# Allegro board A523-EVB-AXP717C-LPDDR4-4X-32X1-V1-0.brd (continued)
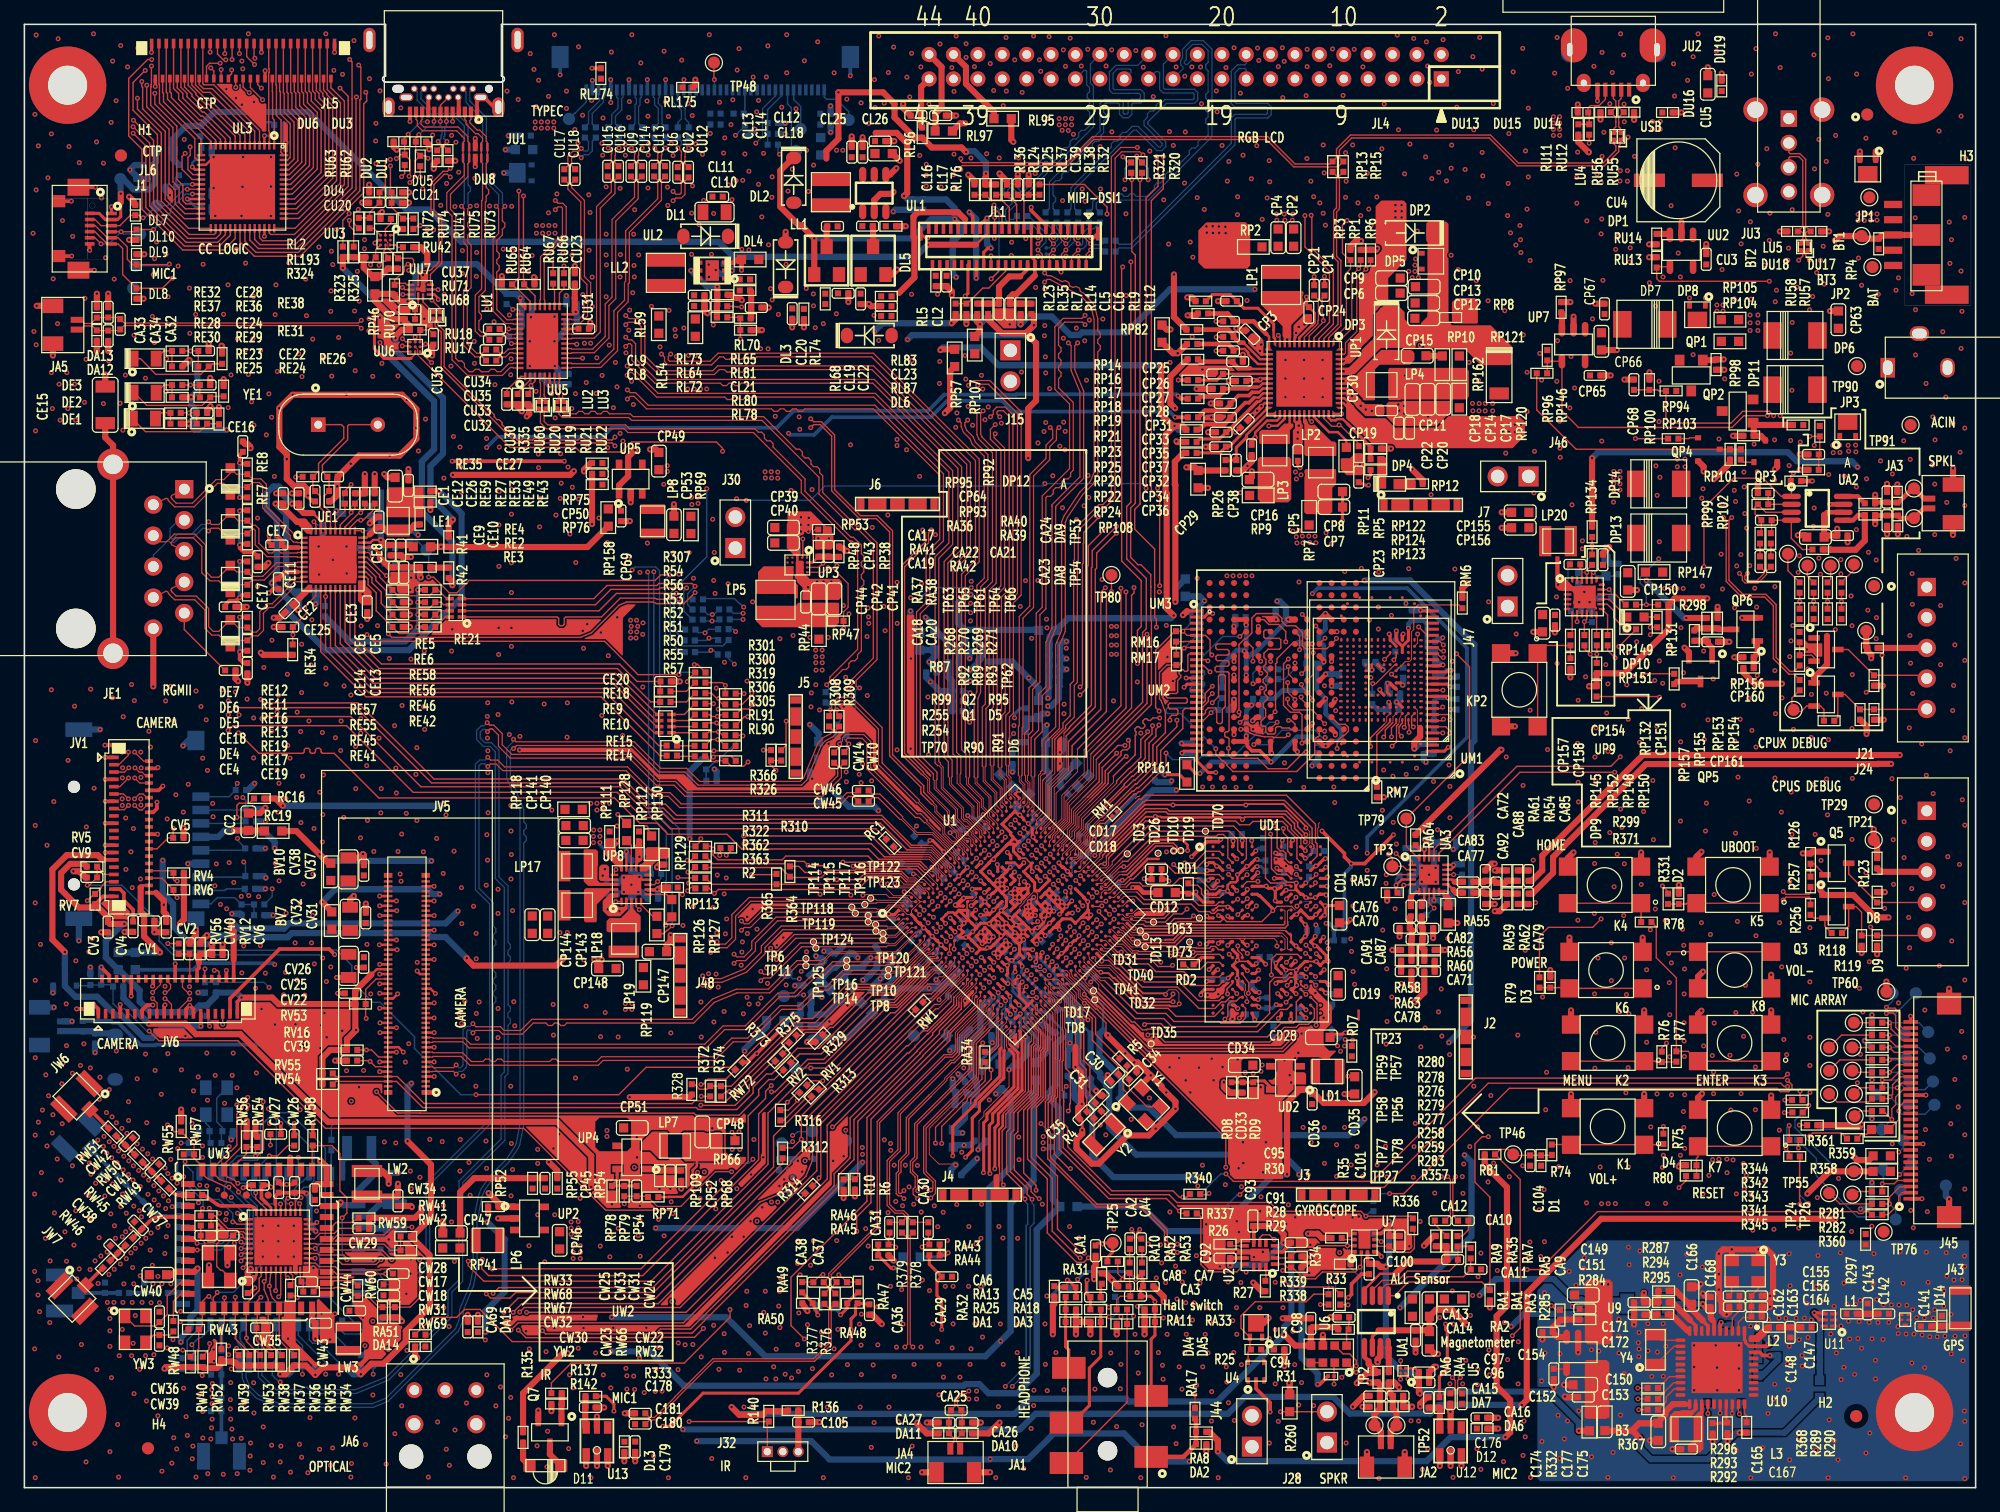
[diagram p0: board, top side]
## Copper pours and planes (outline as drawn; the poured copper is in the pictures) (continued)
GND on TOP (solid shape): 43.62,71.21 43.62,70.75 43.63,70.73 43.64,70.71 43.83,70.52 43.85,70.51 43.87,70.5 44.21,70.5 44.23,70.51 44.24,70.52 44.43,70.71 44.45,70.73 44.45,70.75 44.45,71.21 44.46,71.22 47.23,71.22 47.26,71.21 47.28,71.19 47.29,71.17 47.28,71.14 46.41,70.27 46.39,70.26 45.57,69.92 45.55,69.92 33.42,69.92 33.39,69.92 33.37,69.95 33.36,69.96 33.37,69.99 33.56,70.19 33.58,70.2 33.6,70.2 34.02,70.2 34.06,70.22 34.07,70.25 34.07,70.67 34.08,70.69 34.09,70.71 34.49,71.11 34.5,71.12 34.52,71.13 36.31,71.13 36.34,71.14 36.36,71.18 36.36,71.19 36.39,71.22 43.62,71.22
GND on TOP (solid shape): 19.62,14.02 19.64,14.01 19.76,14.01 19.79,14 19.81,13.96 19.81,13.78 19.81,13.77 19.82,13.75 20.17,13.4 20.18,13.38 20.19,13.36 20.19,11.55 20.19,11.53 20.2,11.51 20.38,11.33 20.4,11.3 20.39,11.27 20.39,11.26 20.36,11.24 20.12,11.24 20.1,11.25 20.09,11.26 19.23,12.11 19.22,12.13 19.22,12.15 19.22,12.68 19.23,12.71 19.27,12.73 19.36,12.73 19.39,12.74 19.41,12.78 19.41,13.43 19.39,13.47 19.36,13.48 19.33,13.48 19.29,13.5 19.28,13.53 19.28,13.96 19.29,14 19.33,14.01 19.44,14.01 19.47,14.03 19.49,14.04 19.59,14.04
GND on TOP (solid shape): 24.08,15.47 24.12,15.48 24.15,15.47 25.41,14.21 25.42,14.19 25.42,14.18 25.42,12.95 25.43,12.93 25.44,12.91 25.44,12.74 25.46,12.7 25.49,12.69 25.52,12.69 25.55,12.67 25.57,12.64 25.57,11.89 25.55,11.85 25.52,11.84 24.25,11.84 24.23,11.84 24.21,11.86 24.16,11.96 24.16,11.99 24.17,12 24.22,12.1 24.24,12.22 24.24,13.49 24.23,13.54 24.23,13.81 24.22,13.85 24.18,13.86 24.04,13.86 24.02,13.87 23.98,13.91 23.97,13.93 23.97,14.7 23.97,14.76 23.97,15.34 23.97,15.36 23.99,15.37
GND on TOP (solid shape): 49.78,23.72 49.81,23.7 49.83,23.67 49.83,23.57 49.84,23.53 49.88,23.52 50.53,23.52 50.57,23.53 50.58,23.57 50.58,23.67 50.6,23.7 50.63,23.72 50.7,23.72 50.74,23.7 50.75,23.67 50.75,23.51 50.77,23.47 50.8,23.45 51.23,23.45 51.25,23.45 51.27,23.44 51.69,23.02 51.7,23 51.7,22.97 51.69,22.95 51.67,22.94 49.55,22.94 49.52,22.94 49.5,22.96 49.45,23.06 49.45,23.08 49.46,23.09 49.52,23.24 49.5,23.39 49.5,23.4 49.5,23.42 49.56,23.5 49.57,23.53 49.57,23.67 49.58,23.7 49.62,23.72
GND on TOP (solid shape): 26.07,78.04 26.09,78.04 27.22,78.04 27.25,78.02 27.27,77.99 27.27,77.35 27.24,77.32 27.24,77.3 27.24,75.69 27.26,75.67 27.27,75.65 27.27,74.55 27.25,74.52 27.24,74.5 27.24,74.4 27.24,74.38 27.22,74.36 27.22,74.2 27.21,74.17 27.17,74.15 23.62,74.15 23.6,74.16 23.57,74.18 23.55,74.19 23.41,74.19 23.37,74.2 23.36,74.24 23.36,74.5 23.33,74.52 23.33,74.54 23.33,75.64 23.35,75.67 23.36,75.69 23.36,76.1 23.33,76.12 23.33,76.14 23.33,77.99 23.35,78.02 23.38,78.04 24.1,78.04 24.13,78.06 24.15,78.06 26.05,78.06
GND on TOP (solid shape): 22.11,15.38 22.13,15.37 22.14,15.36 22.19,15.32 22.27,15.28 22.28,15.24 22.25,15.19 22.25,15.17 22.25,11.93 22.25,11.91 22.26,11.9 23.83,10.33 23.85,10.32 23.87,10.31 24.26,10.31 24.29,10.3 24.31,10.28 24.31,10.27 24.31,10.24 23.89,9.82 23.86,9.81 23.82,9.82 23.26,10.38 23.25,10.39 23.23,10.4 22.55,10.4 22.52,10.41 22.5,10.45 22.5,11.19 22.49,11.23 22.45,11.24 22.03,11.24 22.01,11.25 21.99,11.26 21.09,12.16 21.08,12.17 21.08,12.19 21.08,13.96 21.09,14 21.13,14.01 21.22,14.01 21.26,14.03 21.27,14.06 21.27,15.32 21.29,15.35 21.32,15.37 21.49,15.37 21.51,15.38
GND on TOP (solid shape): 94.03,67.28 94.07,67.27 94.08,67.23 94.08,67.14 94.09,67.1 94.13,67.09 94.47,67.09 94.5,67.08 94.51,67.06 94.52,67.04 94.5,66.99 94.5,66.98 94.5,66.7 94.5,66.68 94.51,66.67 94.64,66.54 94.64,66.53 94.39,66.28 94.38,66.27 94.38,66.25 94.38,65.32 94.37,65.31 93.65,65.31 93.63,65.31 93.61,65.3 93.45,65.13 93.44,65.11 93.43,65.09 93.43,64.82 93.44,64.8 93.45,64.78 93.64,64.59 93.66,64.58 93.68,64.58 93.78,64.58 93.81,64.57 93.83,64.55 93.83,64.53 93.83,64.5 93.62,64.3 93.61,64.28 93.61,64.25 93.59,64.22 93.57,64.22 93.53,64.22 93.51,64.25 93.37,64.65 93.35,64.67 93.28,64.75 93.26,64.76 93.26,64.78 93.26,66.76 93.26,66.78 93.28,66.79 93.75,67.27 93.77,67.28 93.79,67.28
GND on TOP (solid shape): 32.55,97.11 33.17,96.48 33.19,96.47 33.19,96.45 33.19,95.66 33.2,95.62 33.24,95.61 33.27,95.58 33.27,95.55 33.28,95.52 33.32,95.5 33.44,95.5 33.48,95.49 33.49,95.45 33.49,95.21 33.5,95.19 33.51,95.18 33.63,95.05 33.65,95.03 33.64,95 33.64,94.98 33.61,94.97 33.44,94.97 33.42,94.97 33.41,94.98 33.28,95.11 33.26,95.12 33.24,95.13 32.89,95.13 32.85,95.14 32.84,95.18 32.84,95.27 32.82,95.3 32.79,95.32 32.04,95.32 32.01,95.33 31.99,95.37 31.99,95.39 32.01,95.43 32.04,95.44 32.36,95.44 32.4,95.46 32.41,95.49 32.41,96.73 32.42,96.75 32.43,96.76 32.46,96.8 32.47,96.81 32.48,96.83 32.48,97.06 32.48,97.09 32.51,97.11 32.52,97.11
GND on TOP (solid shape): 96.14,92.16 96.16,92.15 96.17,92.14 96.27,92.04 96.29,92.03 96.31,92.02 98.63,92.02 98.67,92.01 98.68,91.97 98.68,91.96 98.91,91.96 98.92,91.96 98.94,91.95 99.23,91.66 99.24,91.63 99.24,91.61 99.24,91.59 99.21,91.57 98.7,91.57 98.67,91.59 98.65,91.62 98.65,91.66 98.64,91.7 98.6,91.71 97.95,91.71 97.91,91.7 97.9,91.66 97.9,91.34 97.89,91.32 97.88,91.3 97.68,91.1 97.66,91.08 97.64,91.08 96.67,91.08 96.64,91.1 96.62,91.13 96.62,91.15 96.61,91.19 96.57,91.2 95.07,91.2 95.03,91.19 95.02,91.15 95.02,91.14 94.99,91.11 94.81,91.11 94.72,91.14 94.7,91.16 94.68,91.26 94.68,91.28 94.69,91.3 95.53,92.14 95.54,92.15 95.56,92.16
GND on TOP (solid shape): 113.42,22.08 113.46,22.06 113.47,22.03 113.47,20.9 113.49,20.87 113.52,20.85 113.74,20.85 113.78,20.84 113.79,20.8 113.79,19.72 113.79,19.7 113.78,19.68 113.58,19.49 113.57,19.48 113.55,19.48 112.51,19.48 112.49,19.48 112.48,19.49 112.3,19.66 112.29,19.68 112.29,19.7 112.29,20.21 112.3,20.25 112.34,20.26 112.8,20.26 112.86,20.27 113.13,20.27 113.16,20.28 113.18,20.32 113.18,20.59 113.18,20.64 113.18,20.7 113.18,20.97 113.16,21.01 113.13,21.02 112.86,21.02 112.8,21.02 112.24,21.02 112.21,21.04 112.19,21.08 112.19,21.64 112.2,21.67 112.24,21.8 112.22,21.94 112.22,21.95 112.22,21.98 112.28,22.06 112.3,22.07 112.32,22.08
GND on TOP (solid shape): 98.69,41.48 98.78,41.48 98.79,41.48 98.84,41.45 98.85,41.43 98.84,41.4 98.43,40.99 98.42,40.97 98.41,40.95 98.41,40.69 98.37,40.6 98.34,40.51 98.28,40.46 98.26,40.45 98.13,40.41 98.05,40.3 98.04,40.29 97.9,40.14 97.88,40.13 97.86,40.13 96.84,40.13 96.81,40.14 96.79,40.15 96.74,40.24 96.74,40.26 96.74,40.27 96.77,40.37 96.77,40.46 96.77,40.48 96.77,40.5 96.87,40.59 96.88,40.61 96.9,40.61 97.47,40.61 97.65,40.69 97.72,40.88 97.73,40.91 97.78,40.98 97.8,40.99 97.82,40.99 97.99,40.99 98.01,41 98.02,41.01 98.29,41.27 98.31,41.28 98.42,41.33 98.49,41.43 98.51,41.45 98.59,41.49
GND on TOP (solid shape): 23.76,18.22 23.78,18.22 23.8,18.21 24.05,17.95 24.07,17.94 24.09,17.94 24.11,17.91 24.11,17.39 24.13,17.35 24.16,17.34 25.45,17.34 25.51,17.33 27.01,17.33 27.04,17.32 27.06,17.3 27.06,17.27 27.04,17.24 27.02,17.23 27,17.2 26.99,17.16 26.95,17.15 25.33,17.15 25.32,17.14 24.16,17.14 24.13,17.13 24.11,17.09 24.11,16.59 24.1,16.56 24.06,16.54 23.91,16.54 23.89,16.54 23.87,16.53 23.83,16.47 23.81,16.46 23.79,16.46 23.1,16.46 23.07,16.47 23.05,16.51 23.06,16.54 23.07,16.56 23.07,17.19 23.05,17.23 23.02,17.24 22.85,17.24 22.82,17.26 22.8,17.29 22.8,17.39 22.82,17.41 22.82,17.43 22.82,18.15 22.84,18.19 22.87,18.2 23.6,18.2 23.62,18.22 23.64,18.22
GND on TOP (solid shape): 100.31,62.85 100.39,62.81 100.41,62.79 100.64,62.58 100.93,62.66 101.11,62.84 101.13,62.84 101.16,62.84 101.2,62.8 101.21,62.79 101.21,62.77 101.21,62.48 101.22,62.46 101.23,62.44 101.41,62.26 101.42,62.25 101.44,62.25 101.54,62.25 101.58,62.23 101.59,62.2 101.59,61.92 101.6,61.9 101.62,61.87 101.64,61.84 101.63,61.81 101.62,61.79 101.59,61.78 100.92,61.91 100.91,61.92 100.6,62.05 100.54,62.1 100.53,62.12 100.53,62.13 100.36,62.5 99.96,62.46 99.93,62.45 99.9,62.45 99.89,62.51 99.89,62.53 99.96,62.64 99.98,62.75 99.98,62.76 99.99,62.78 100.07,62.85 100.09,62.85 100.1,62.85 100.19,62.84 100.28,62.85
GND on TOP (solid shape): 29.16,96.33 29.18,96.33 29.2,96.32 30.07,95.45 30.09,95.44 30.1,95.44 30.85,95.44 30.87,95.43 30.9,95.41 30.91,95.38 30.91,95.35 30.9,95.34 30.88,95.32 30.8,95.32 30.78,95.32 30.76,95.31 30.06,94.61 30.05,94.59 30.05,94.58 30.05,94.26 30.27,93.91 30.68,93.98 30.7,93.99 30.72,93.99 30.75,93.99 30.77,93.99 30.79,93.97 30.79,93.91 30.79,93.89 30.77,93.88 30.67,93.7 30.69,93.49 30.7,93.48 30.69,93.45 30.64,93.37 30.62,93.35 30.6,93.34 29.93,93.34 29.91,93.35 29.89,93.36 29.48,93.77 29.47,93.8 29.48,93.81 29.4,94.13 29.08,94.23 29.07,94.22 29.05,94.23 28.98,94.28 28.96,94.3 28.96,94.32 28.96,96.16 28.96,96.18 28.97,96.2 29.01,96.24 29.04,96.3 29.06,96.32
GND on TOP (solid shape): 102.54,51.73 102.6,51.67 102.62,51.66 102.63,51.66 103.07,51.66 103.13,51.67 103.16,51.66 103.23,51.61 103.24,51.59 103.25,51.57 103.25,51.48 103.25,51.46 103.26,51.45 103.61,51.09 103.63,51.08 103.65,51.08 103.7,51.08 103.8,51.04 103.88,51.03 103.91,51.02 103.98,50.96 103.99,50.93 104.02,50.8 104.11,50.7 104.12,50.69 104.13,50.67 104.13,50.56 104.12,50.54 104.11,50.54 104.02,50.42 103.99,50.25 103.97,50.23 103.93,50.19 103.89,50.21 103.63,50.46 103.61,50.48 103.59,50.48 103.42,50.48 103.4,50.48 103.38,50.5 103.33,50.56 103.32,50.59 103.26,50.79 103.07,50.87 103.01,50.87 102.99,50.89 102.98,50.9 102.82,51.08 102.58,51.08 102.57,51.08 102.54,51.08 102.46,51.14 102.45,51.15 102.44,51.18 102.44,51.7 102.46,51.73 102.49,51.75
GND on TOP (solid shape): 125.83,76.37 125.87,76.36 125.88,76.32 125.88,75.05 125.89,75.03 125.9,75.01 126.96,73.95 126.97,73.94 126.99,73.94 127.44,73.94 127.46,73.94 127.51,73.98 127.53,73.99 128.73,73.99 128.77,74 128.8,74 128.83,73.99 128.85,73.96 128.87,73.94 128.86,73.91 128.85,73.87 128.85,72.27 128.87,72.24 128.9,72.22 128.92,72.22 128.95,72.19 128.95,72.06 128.94,72.03 128.9,72.01 128.79,72.01 128.76,72.03 128.74,72.06 128.74,72.08 128.71,72.11 127.08,72.11 127.04,72.13 127.03,72.16 127.03,72.45 127.02,72.47 126.98,72.52 126.98,72.54 126.98,72.67 126.98,72.69 127.02,72.75 127.03,72.76 127.03,73.34 127.02,73.36 126.98,73.41 126.98,73.45 126.95,73.48 126.91,73.48 126.89,73.49 126.84,73.54 126.82,73.55 126.8,73.56 125.83,73.56 125.81,73.56 125.79,73.57 125.54,73.82 125.53,73.84 125.53,73.86 125.53,76.32 125.54,76.36 125.58,76.37
GND on TOP (solid shape): 64.48,80.06 64.5,80.06 64.52,80.05 66.32,78.24 66.34,78.24 66.34,77.14 66.34,77.12 66.33,77.1 66.21,76.98 66.19,76.97 66.17,76.96 64.89,76.96 64.87,76.97 64.85,76.98 64.85,78.15 64.87,78.19 64.9,78.2 65.42,78.2 65.45,78.21 65.47,78.25 65.47,78.9 65.45,78.94 65.42,78.95 64.77,78.95 64.73,78.94 64.71,78.9 64.71,78.74 64.71,78.72 64.7,78.7 64.5,78.5 64.49,78.48 64.48,78.47 64.48,78.41 64.47,78.37 64.43,78.36 63.98,78.36 63.94,78.34 63.93,78.31 63.93,78.23 63.93,78.21 63.91,78.2 63.86,78.14 63.83,78.13 63.52,77.91 63.63,77.54 63.64,77.52 63.65,77.5 63.65,76.45 63.64,76.45 63.14,76.45 63.12,76.45 63.11,76.47 62.53,77.05 62.51,77.06 62.51,77.08 62.51,78.98 62.51,79 62.53,79.02 62.55,79.05 62.57,79.06 62.57,79.08 62.57,79.87 62.57,79.89 62.58,79.91 62.72,80.05 62.74,80.06 62.76,80.06
GND on TOP (solid shape): 32.01,75.09 32.04,75.08 32.06,75.04 32.06,74.57 32.06,74.56 32.07,74.54 32.24,74.37 32.52,74.26 32.8,74.4 32.82,74.41 32.91,74.42 32.94,74.41 33.19,74.34 33.41,74.46 33.41,74.47 33.44,74.48 33.47,74.48 33.49,74.47 33.87,74.09 33.88,74.06 33.88,74.04 33.87,74.02 33.85,74 32.47,74 32.43,73.99 32.37,73.95 32.35,73.94 32.34,73.95 32,73.83 31.96,73.48 31.97,73.46 31.96,73.44 31.91,73.35 31.89,73.33 31.87,73.33 30.76,73.33 30.74,73.33 30.72,73.34 30.57,73.49 30.56,73.51 30.56,73.53 30.56,73.95 30.54,73.99 30.5,74 30.08,74 30.06,74.01 30.05,74.02 29.75,74.31 29.74,74.33 29.74,74.36 29.76,74.46 29.78,74.48 29.79,74.48 29.99,74.67 29.98,74.94 29.98,74.96 29.98,74.98 30.03,75.07 30.05,75.09 30.07,75.09
GND on TOP (solid shape): 16.97,115.13 17,115.12 17.02,115.1 17.07,115.02 17.07,114.99 17.06,114.98 17.33,114.53 17.6,114.98 17.59,114.99 17.6,115.02 17.65,115.1 17.67,115.12 17.73,115.11 17.75,115.08 17.75,114.8 17.75,114.78 17.76,114.77 18.13,114.4 18.14,114.38 18.36,114.11 18.69,114.23 18.7,114.24 18.72,114.25 18.8,114.26 18.83,114.26 18.84,114.24 19.2,113.89 19.21,113.87 19.2,113.86 19.35,113.54 19.7,113.53 19.71,113.54 19.73,113.54 19.82,113.49 19.84,113.47 19.85,113.44 19.85,111.3 19.84,111.28 19.83,111.26 19.76,111.2 19.66,111.2 19.58,111.19 19.56,111.19 19.49,111.25 19.47,111.27 19.47,111.29 19.47,111.35 19.46,111.37 19.45,111.38 15.79,115.04 15.78,115.07 15.78,115.1 15.79,115.11 15.81,115.13
GND on TOP (solid shape): 60.8,23.43 60.82,23.43 60.85,23.42 60.92,23.38 60.94,23.36 60.94,23.35 61.15,23.11 61.47,23.16 61.6,23.13 61.66,23.11 61.67,23.09 61.69,22.99 61.69,22.97 61.68,22.95 60.57,21.84 60.55,21.83 60.52,21.83 60.42,21.86 60.4,21.88 60.4,21.9 59.84,22.08 60.02,21.52 60.03,21.51 60.05,21.49 60.08,21.39 60.08,21.37 60.07,21.34 53.7,14.97 53.68,14.96 53.66,14.95 53.46,14.95 53.44,14.96 53.42,14.98 53.37,15.07 53.37,15.09 53.38,15.11 53.09,15.6 52.8,15.11 52.8,15.09 52.8,15.07 52.75,14.98 52.73,14.96 52.71,14.95 52.22,14.95 52.19,14.96 52.17,14.99 52.17,15 52.17,15.03 60.39,23.25 60.41,23.26
GND on TOP (solid shape): 46.96,14.19 46.99,14.18 47.01,14.15 47.01,14.13 47.01,13.99 46.95,13.77 46.96,13.74 46.94,13.71 46.92,13.7 40.43,13.7 40.41,13.69 40.4,13.68 39.98,13.26 39.95,13.26 39.94,13.26 39.81,13.25 39.69,13.18 39.68,13.18 39.66,13.17 39.61,13.19 39.6,13.19 39.24,13.63 39.81,13.72 39.83,13.7 39.85,13.7 39.97,13.7 40,13.71 40.02,13.73 40.05,13.82 40.01,13.91 39.98,13.95 39.97,13.98 39.98,14.01 40,14.03 40.02,14.04 40.04,14.05 40.19,14.06 40.31,14.14 40.33,14.15 40.34,14.15 40.37,14.15 40.39,14.15 40.41,14.14 40.61,14.07 40.82,14.14 40.84,14.15 40.93,14.15 40.95,14.13 41.2,14.05 41.43,14.17 41.45,14.19 41.47,14.19
GND on TOP (solid shape): 107.52,19.66 107.54,19.65 107.56,19.63 107.61,19.53 107.6,19.5 107.59,19.49 107.85,18.95 108.1,19.49 108.09,19.5 108.09,19.53 108.13,19.63 108.15,19.65 108.18,19.66 108.2,19.66 108.22,19.65 108.23,19.64 108.41,19.52 108.63,19.54 108.64,19.55 108.67,19.55 108.75,19.5 108.77,19.48 108.78,19.45 108.78,19.11 108.79,19.08 108.83,19.06 108.85,19.06 108.88,19.05 108.9,19.01 108.9,18.76 108.89,18.74 108.88,18.72 108.86,18.71 108.84,18.71 108.42,18.71 108.39,18.69 108.37,18.66 108.37,17.91 108.36,17.88 108.32,17.86 106.37,17.86 106.35,17.86 106.33,17.85 105.81,17.32 105.79,17.31 105.77,17.31 105.02,17.31 105,17.31 104.98,17.32 104.71,17.59 104.7,17.63 104.71,17.66 104.77,17.68 105.04,17.68 105.08,17.7 105.1,17.73 105.1,17.88 105.1,17.9 105.11,17.91 105.67,18.47 105.68,18.49 105.68,18.51 105.68,18.69 105.65,18.84 105.57,18.96 105.34,19.19 105.33,19.22 105.33,19.25 105.33,19.26 105.36,19.28 105.78,19.28 105.8,19.28 105.81,19.29 106.16,19.64 106.18,19.65 106.2,19.66
GND on TOP (solid shape): 67.44,30.43 67.46,30.44 67.49,30.44 67.51,30.43 67.52,30.41 67.52,29.73 67.52,29.71 67.51,29.69 67.44,29.63 67.42,29.63 67.4,29.63 67.01,29.3 67.4,28.98 67.42,28.98 67.44,28.98 67.51,28.92 67.52,28.9 67.52,28.88 67.52,27.14 67.52,27.12 67.51,27.1 66.23,25.82 66.21,25.81 66.21,25.79 66.21,24.87 66.21,24.85 66.2,24.83 54.57,13.2 54.55,13.19 54.53,13.19 52.09,13.19 52.07,13.19 52.05,13.17 51.69,12.81 51.67,12.8 51.65,12.79 42.91,12.79 42.89,12.8 42.87,12.81 42.82,12.86 42.81,12.89 42.35,13.16 42.22,12.64 42.23,12.63 42.24,12.6 42.19,12.51 42.17,12.48 42.15,12.48 41.22,12.48 41.2,12.48 41.19,12.49 40.83,12.84 40.83,12.86 40.83,12.88 40.81,13.03 40.73,13.15 40.72,13.16 40.71,13.19 40.75,13.3 40.77,13.32 40.8,13.33 54.09,13.33 54.11,13.33 54.13,13.34 66.01,25.22 66.02,25.24 66.02,25.25 66.02,29.17 66.03,29.19 66.04,29.21 66.12,29.27 66.14,29.27 66.15,29.27 66.44,29.31 66.59,29.56 66.6,29.58
GND on TOP (solid shape): outline of 126 points within 60.14,23.58 64.44,28.04
GND on TOP (solid shape): outline of 150 points within 40.39,53.81 75.15,64.34
GND on TOP (solid shape): outline of 117 points within 26.92,9.86 30.99,15.54
GND on TOP (solid shape): outline of 142 points within 26.29,14.99 32.84,20.22
GND on TOP (solid shape): outline of 206 points within 94.49,17.88 111.63,23.2
GND on TOP (solid shape): outline of 410 points within 87.76,25.3 107.55,41.28
GND on TOP (solid shape): outline of 611 points within 15.24,22.94 59.16,39.81
GND on L4 (solid shape): 22.04,31.83 22.06,31.82 22.08,31.81 24.11,29.78 24.12,29.75 24.12,29.72 24.11,29.71 24.09,29.69 23.59,29.69 23.58,29.7 23.56,29.71 21.52,31.74 21.51,31.77 21.51,31.8 21.52,31.81 21.55,31.83
GND on L4 (solid shape): 71.31,40.01 71.34,40 71.36,39.97 71.36,39.96 71.36,39.93 69.17,37.74 69.15,37.73 69.13,37.73 65.37,37.73 65.35,37.74 65.33,37.76 65.32,37.77 65.33,37.8 67.51,39.99 67.53,40 67.55,40.01
GND on L4 (solid shape): 22.03,27.25 22.05,27.25 22.07,27.24 22.13,27.17 22.13,27.15 22.12,27.09 22.13,27.02 22.12,27 21.11,25.99 21.08,25.97 21.05,25.98 21.04,25.98 21.02,26.01 21.02,26.51 21.02,26.53 21.03,26.55 21.72,27.24 21.74,27.25 21.76,27.25
GND on L4 (solid shape): 48.92,10.42 48.94,10.42 48.95,10.41 49.79,9.57 49.8,9.55 49.8,9.53 49.79,9.44 49.78,9.42 49.74,9.39 49.65,9.4 49.63,9.41 49.51,9.48 49.36,9.5 49.35,9.5 49.33,9.5 48.5,10.33 48.49,10.36 48.49,10.39 48.49,10.4 48.52,10.42
GND on L4 (solid shape): 88.85,21.94 88.87,21.94 88.89,21.92 95.17,15.65 95.18,15.63 95.18,15.6 95.16,15.5 95.14,15.48 95.12,15.48 94.98,15.39 94.9,15.24 94.9,15.22 94.87,15.2 94.38,15.2 94.36,15.2 94.35,15.21 87.7,21.85 87.69,21.88 87.69,21.91 87.7,21.92 87.73,21.94
GND on L4 (solid shape): 27.38,14.62 28.18,13.83 28.19,13.81 28.19,13.79 28.19,13.64 28.22,13.49 28.3,13.37 28.32,13.33 28.3,13.3 28.26,13.28 28.19,13.28 28.17,13.29 28.16,13.3 27.32,14.13 27.31,14.15 27.31,14.17 27.31,14.57 27.32,14.6 27.34,14.62 27.35,14.63
GND on L4 (solid shape): 81.36,37.31 81.39,37.33 81.42,37.33 81.44,37.32 81.47,37.3 81.48,37.27 81.48,36.07 81.47,36.05 81.46,36.04 80.88,35.45 80.86,35.45 80.33,34.92 80.3,34.9 80.27,34.91 80.26,34.91 80.24,34.94 80.24,35.36 80.25,35.38 80.26,35.39 80.68,35.82 80.69,35.84 80.7,35.85 80.7,36.62 80.7,36.64 80.71,36.65 81.34,37.28
GND on L4 (solid shape): 32.92,37.89 32.94,37.89 32.96,37.88 33.33,37.51 33.35,37.49 33.37,37.49 34.63,37.49 34.65,37.49 34.67,37.48 34.92,37.22 34.94,37.2 34.93,37.17 34.93,37.15 34.9,37.14 28.61,37.14 28.59,37.14 28.58,37.15 28.25,37.48 28.23,37.51 28.24,37.54 28.24,37.55 28.27,37.57 29.36,37.57 29.38,37.57 29.4,37.58 29.69,37.88 29.71,37.89 29.73,37.89
GND on L4 (solid shape): 79.85,36.62 79.87,36.63 79.9,36.63 79.92,36.62 79.93,36.6 79.93,36.17 79.93,36.15 79.92,36.13 79.49,35.71 79.48,35.69 79.48,35.67 79.48,33.59 79.47,33.57 79.46,33.56 79.18,33.28 79.16,33.26 79.13,33.26 79.11,33.27 79.1,33.3 79.1,35.51 79.1,35.53 79.11,35.54 79.73,36.16 79.74,36.18 79.74,36.2 79.74,36.49 79.75,36.51 79.76,36.53
GND on L4 (solid shape): 84.65,42.97 84.67,42.97 84.68,42.96 85.98,41.66 86,41.64 86,41.62 86,41.5 86,41.48 86.01,41.47 86.4,41.08 86.41,41.06 86.42,41.04 86.42,40.66 86.41,40.63 86.38,40.61 86.37,40.61 86.34,40.61 84.29,42.67 84.27,42.69 84.27,42.72 84.3,42.82 84.32,42.84 84.34,42.84 84.44,42.88 84.52,42.95 84.54,42.97 84.56,42.97
GND on L4 (solid shape): 62.57,29.07 62.59,29.07 62.61,29.05 62.66,28.98 62.67,28.96 62.67,28.95 62.67,28.81 62.73,28.68 62.68,28.49 62.66,28.38 62.65,28.36 62.6,28.3 62.58,28.29 62.56,28.28 59.28,28.28 59.26,28.29 59.24,28.31 59.23,28.33 59.24,28.36 59.93,29.06 59.95,29.07 59.97,29.07
GND on L4 (solid shape): 98.35,41.84 98.39,41.83 98.41,41.73 98.43,41.66 98.42,41.64 98.37,41.56 98.35,41.54 98.33,41.54 97.69,41.54 97.67,41.53 97.66,41.52 97.49,41.35 97.47,41.34 97.45,41.34 96.74,41.34 96.72,41.34 96.7,41.35 96.46,41.6 96.44,41.61 96.42,41.61 93.65,41.61 93.63,41.62 93.62,41.63 93.49,41.75 93.48,41.78 93.48,41.81 93.49,41.82 93.51,41.84
GND on L4 (solid shape): 26.7,13.78 27.87,12.61 27.89,12.6 27.91,12.6 30.8,12.6 30.82,12.59 30.83,12.58 33.17,10.24 33.19,10.21 33.18,10.19 33.18,10.17 33.15,10.15 32.22,10.15 32.2,10.16 32.18,10.17 30.46,11.9 30.44,11.91 30.42,11.91 28.13,11.91 28,11.97 27.88,11.97 27.87,11.97 27.85,11.98 26.64,13.19 26.63,13.2 26.63,13.22 26.63,13.74 26.63,13.76 26.66,13.78 26.67,13.79
GND on L4 (solid shape): 47.34,29.46 47.37,29.46 47.38,29.45 47.44,29.38 47.45,29.36 47.44,29.34 47.45,29.21 47.5,29 47.44,28.84 47.47,28.66 47.47,28.65 47.47,28.63 47.42,28.54 47.4,28.53 47.38,28.52 41.99,28.52 41.96,28.53 41.94,28.55 41.93,28.57 41.94,28.6 42.79,29.45 42.81,29.46 42.83,29.46
GND on L4 (solid shape): 41.03,33.21 41.06,33.2 41.08,33.18 41.09,33.17 41.08,33.14 39.71,31.77 39.69,31.75 39.67,31.75 37.6,31.75 37.58,31.75 37.57,31.77 37.31,32.02 37.31,32.05 37.32,32.07 37.35,32.3 37.22,32.49 37.21,32.5 37.2,32.52 37.2,32.63 37.21,32.65 37.22,32.66 37.34,32.84 37.31,33.07 37.31,33.08 37.31,33.1 37.36,33.19 37.38,33.21 37.41,33.21
GND on L4 (solid shape): 104.77,41.35 104.8,41.34 104.82,41.32 104.82,41.3 104.82,41.28 104.51,40.97 104.5,40.95 104.49,40.93 104.49,40.33 104.49,40.31 104.48,40.29 104.25,40.06 104.23,40.04 104.23,40.02 104.23,38.73 104.22,38.7 104.2,38.69 104.1,38.64 104.07,38.65 104.06,38.66 103.95,38.73 103.82,38.76 103.8,38.75 103.78,38.77 103.73,38.87 103.73,38.9 103.74,38.93 104.08,39.26 104.09,39.28 104.09,39.3 104.09,41.2 104.09,41.22 104.11,41.24 104.2,41.33 104.22,41.35
GND on L4 (solid shape): 121.7,71.31 121.73,71.3 121.75,71.26 121.75,43.38 121.75,43.36 121.72,43.32 121.72,20.71 121.72,20.69 121.71,20.67 121.58,20.54 121.56,20.53 121.53,20.53 121.51,20.54 121.5,20.56 121.5,59.53 121.49,59.55 121.48,59.56 121.09,59.96 121.07,59.98 121.07,60.01 121.11,60.11 121.13,60.13 121.15,60.13 121.4,60.25 121.5,60.51 121.5,70.59 121.49,70.61 121.48,70.62 120.88,71.22 120.87,71.25 120.87,71.28 120.88,71.29 120.9,71.31
GND on L4 (solid shape): 103.95,42.97 103.95,42.96 104.15,42.84 104.38,42.87 104.4,42.88 104.75,42.88 104.77,42.87 104.79,42.85 104.84,42.76 104.84,42.73 104.8,42.66 104.77,42.58 104.4,42.21 104.38,42.2 104.36,42.2 103.72,42.2 103.7,42.19 103.68,42.18 102.82,41.32 102.81,41.3 102.8,41.28 102.7,41.18 102.69,41.17 102.67,41.16 102.31,41.16 102.28,41.17 102.26,41.19 102.26,41.21 102.26,41.24 102.94,41.92 102.95,41.93 102.95,41.95 102.95,42.27 102.96,42.29 102.97,42.31 103.41,42.74 103.43,42.75 103.44,42.75 103.64,42.79 103.78,42.94 103.79,42.95 103.81,42.96 103.92,42.98
GND on L4 (solid shape): 69.79,42.02 69.82,42.02 69.83,42 69.89,41.91 69.89,41.89 69.88,41.88 70.18,41.4 70.48,41.88 70.47,41.89 70.47,41.91 70.53,42 70.54,42.02 70.57,42.02 72.44,42.02 72.47,42.01 72.49,41.99 72.5,41.98 72.49,41.95 71.28,40.74 71.26,40.72 71.24,40.72 67.29,40.72 67.27,40.72 67.26,40.71 64.93,38.38 64.91,38.37 64.89,38.36 62.91,38.36 62.89,38.37 62.88,38.38 62.59,38.67 62.57,38.68 62.55,38.68 62,38.68 62,38.68 61.27,38.68 61.25,38.68 61.24,38.67 60.82,38.25 60.8,38.24 60.78,38.24 60.1,38.24 60.07,38.24 60.06,38.27 60.05,38.28 60.06,38.31 60.74,39 60.76,39.01 60.78,39.01 65.14,39.01 65.16,39.01 65.18,39.03 68.16,42.01 68.18,42.02 68.2,42.02
GND on L4 (solid shape): 53.87,29.46 53.89,29.46 53.91,29.45 54.48,28.88 54.49,28.87 54.51,28.87 56.89,28.87 56.91,28.87 56.93,28.88 57.42,29.37 57.44,29.38 57.46,29.39 57.61,29.39 57.63,29.38 57.65,29.37 57.71,29.29 57.71,29.26 57.7,29.25 57.84,28.85 58.26,28.91 58.28,28.93 58.37,28.93 58.4,28.92 58.78,28.91 58.92,29.26 58.92,29.27 58.92,29.3 58.98,29.37 59,29.38 59.02,29.39 59.62,29.39 59.65,29.38 59.67,29.36 59.68,29.34 59.67,29.31 58.97,28.62 58.96,28.61 58.94,28.6 57.7,28.6 57.68,28.6 57.66,28.59 57.61,28.54 57.6,28.52 57.58,28.52 48.16,28.52 48.14,28.53 48.12,28.54 48.07,28.63 48.07,28.65 48.07,28.66 48.1,28.84 48.03,29 48.09,29.21 48.1,29.34 48.09,29.36 48.1,29.38 48.16,29.45 48.17,29.46 48.2,29.46
GND on TOP: 90.42,46.41 90.73,46.41 91.16,45.97 93.83,45.97 95.1,47.24 102.11,47.24 102.47,47.61 102.63,47.61 102.91,47.89 103.88,47.89 104.42,47.35 104.42,44.52 104.78,44.16 104.78,43.94 104.7,43.87 102.59,43.87 101.76,44.69 98.51,44.69 97.72,43.9 94.87,43.9 94.7,44.07 90.91,44.07 90.3,44.68 90.3,46.28
GND on TOP: 150.52,20.45 152.73,20.45 152.98,20.7 152.98,21.64 152.73,21.89 150.52,21.89 150.27,21.64 150.27,20.7
GND on TOP: 56.72,103.89 56.72,105.8 56.69,105.82 56.69,106.17 56.57,106.3 55.45,106.3 54.43,105.28 54.43,103.89 54.68,103.64 56.46,103.64
GND on TOP: 42.57,18.16 45.64,18.16 45.89,18.41 45.89,19.79 45.64,20.04 42.57,20.04 42.31,19.79 42.31,18.41
GND on TOP: 150.65,74.57 150.65,73.43 153.57,70.51 157.12,70.51 157.51,70.89 157.51,74.96 156.87,75.59 151.66,75.59
GND on TOP: 45.36,54.71 45.36,52.73 45.54,52.55 47.19,52.55 47.4,52.76 47.4,54.15 47.22,54.33 46.61,54.33 46.28,54.66 46.28,54.74 45.39,54.74
GND on TOP: 87.53,50.44 87.53,51.84 91.82,56.13 103.35,56.13 105.33,54.15 105.33,52.32 105.18,52.17 104.85,52.17 104.39,52.63 104.39,53.37 103.08,54.69 100.51,54.69 100.48,54.66 99.64,54.66 99.44,54.86 91.92,54.86 88.77,51.71 88.77,51.13 88.11,50.47 87.55,50.47
GND on TOP: 150.14,101.88 153.82,101.88 154.71,100.99 159.03,100.99 159.38,100.64 159.38,97.15 159.16,96.93 150.65,96.93 149.63,97.94 149.63,101.37
GND on TOP: 87.88,49.66 88.54,49.66 90.12,51.23 90.6,51.23 92.68,53.31 95.07,53.31 95.71,52.68 95.71,52.17 95.02,51.49 92.41,51.49 90.45,49.53 89.84,49.53 88.7,48.39 88.52,48.39 87.88,49.02
GND on TOP: 104.04,84.43 104.04,81.25 104.19,81.1 104.83,81.1 104.9,81.18 104.9,84.43 104.8,84.53 104.14,84.53
GND on TOP: 153.57,88.16 153.57,86.26 154.46,85.37 158.01,85.37 159.28,86.64 159.28,95.28 158.39,96.16 154.58,96.16 154.08,95.66 154.08,88.67
GND on TOP: 147.85,86.39 147.85,84.48 148.23,84.1 151.28,84.1 151.66,84.48 151.66,86.39 151.41,86.64 148.11,86.64
GND on TOP: 87.96,43.94 87.78,43.94 87.02,43.18 88.09,42.11 88.8,42.11 91.52,39.4 94.71,39.4 94.71,39.41 94.92,39.63 94.92,40.44 94.46,40.89 93.19,40.89 92.99,40.69 91.92,40.69 88.62,43.99 88.01,43.99
GND on TOP: 109.69,34.26 90.78,34.26 90.32,34.72 90.32,35.2 90.78,35.66 104.06,35.66 106.81,38.4 106.81,50.77 106.21,51.37 106.21,52.73 105.97,52.97 105.97,54.61 103.58,57 92.11,57 88.13,53.02 87.89,53.02 87.85,53.07 87.64,53.07 87.34,52.77 87.34,53.23 87.79,53.69 87.79,53.98 90.68,56.87 90.68,58.26 90.7,58.26 90.91,58.47 108.97,58.47 109.49,57.95 109.49,35.36 109.69,35.16
GND on TOP: 89.89,36.43 91.14,35.18 91.41,35.18 91.8,35.56 91.87,35.48 104.52,35.48 105.77,36.73 105.77,37.36 105.56,37.57 104.8,37.57 104.7,37.67 103.43,37.67 103.2,37.44 103.2,37.24 102.41,36.45 93.41,36.45 92.76,37.1 91.75,37.1 89.06,39.79 88.14,38.87 88.14,38.87 88.14,38.57 89.89,36.82
GND on TOP: 107.67,82.09 107.67,79.4 107.8,79.27 109.58,79.27 110.69,80.39 110.69,83.64 110.57,83.77 110.19,83.77 110.06,83.64 110.06,83.03 109.75,82.73 108.31,82.73
GND on TOP: 150.52,55.14 152.3,55.14 155.35,52.1 157.12,52.1 158.01,52.98 158.01,56.79 157.25,57.56 150.52,57.56 150.14,57.18 150.14,55.52
GND on TOP: 40.87,45.89 40.66,45.69 40.66,44.65 41.17,44.14 44.47,44.14 44.84,44.51 44.84,45.64 44.59,45.89
GND on BOTTOM: 59.46,114.2 61.24,114.2 61.37,114.33 61.37,116.1 61.11,116.36 59.59,116.36 59.33,116.1 59.33,114.33
GND on BOTTOM: 39.26,106.74 40.84,106.74 41.1,106.99 41.1,111.1 40.84,111.36 39.26,111.36 39,111.1 39,106.99
GND on BOTTOM: 56.79,111.53 56.79,115.09 56.92,115.21 58.57,115.21 58.7,115.09 58.7,114.07 58.57,113.94 58.57,111.53 58.45,111.4 56.92,111.4
GND on BOTTOM: 85.63,40.12 85.56,40.2 85.56,42.41 85.04,42.92 85.04,43.17 85.13,43.17 85.89,42.42 85.89,40.28 88.7,37.47 104.82,37.47 105.04,37.25 105.98,37.25 106.01,37.27 106.34,37.27 106.66,36.95 106.66,35.73 107.03,35.37 108.42,35.37 109.27,36.22 109.27,38.07 108.95,38.39 108.42,38.39 108.24,38.57 108.24,41.13 107.72,41.66 107.72,47.22 105.02,49.92 105.02,51.27 106.26,52.51 106.26,56.06 105.17,57.15 91.73,57.15 86.51,51.94 86.31,51.94 86.31,52.27 86.51,52.48 86.59,52.48 90.2,56.08 90.2,56.31 89.61,56.9 89.61,57.18 89.26,57.53 88.29,57.53 88.28,57.52 86.46,57.52 84.7,55.75 84.33,55.75 83.67,56.41 83.67,56.82 82.47,58.01 82.47,58.24 82.91,58.67 109.55,58.67 109.55,31.65 109.22,31.32 93.93,31.32 93.93,31.34 85.63,39.64 ; 1 cut-out
GND on L2GND: 0.51,0.51 0.51,119.49 159.49,119.49 159.49,20.89 159.18,20.59 128.8,20.59 123.69,15.47 123.69,0.76 123.43,0.51
